# Altium PCB NewBoard.PcbDoc (part 3 of 3)
Units mm, origin at the board's own origin, x right, y up, seen from the top; angles counter-clockwise.
Board outline 116.9 x 108.8 mm, 2 copper layers (L1_Top, L14_Bot), stack 1.671 mm thick; 198 components, 135 nets, 569 pads, 693 vias.
Unrouted connection lines stored in the file: 119.
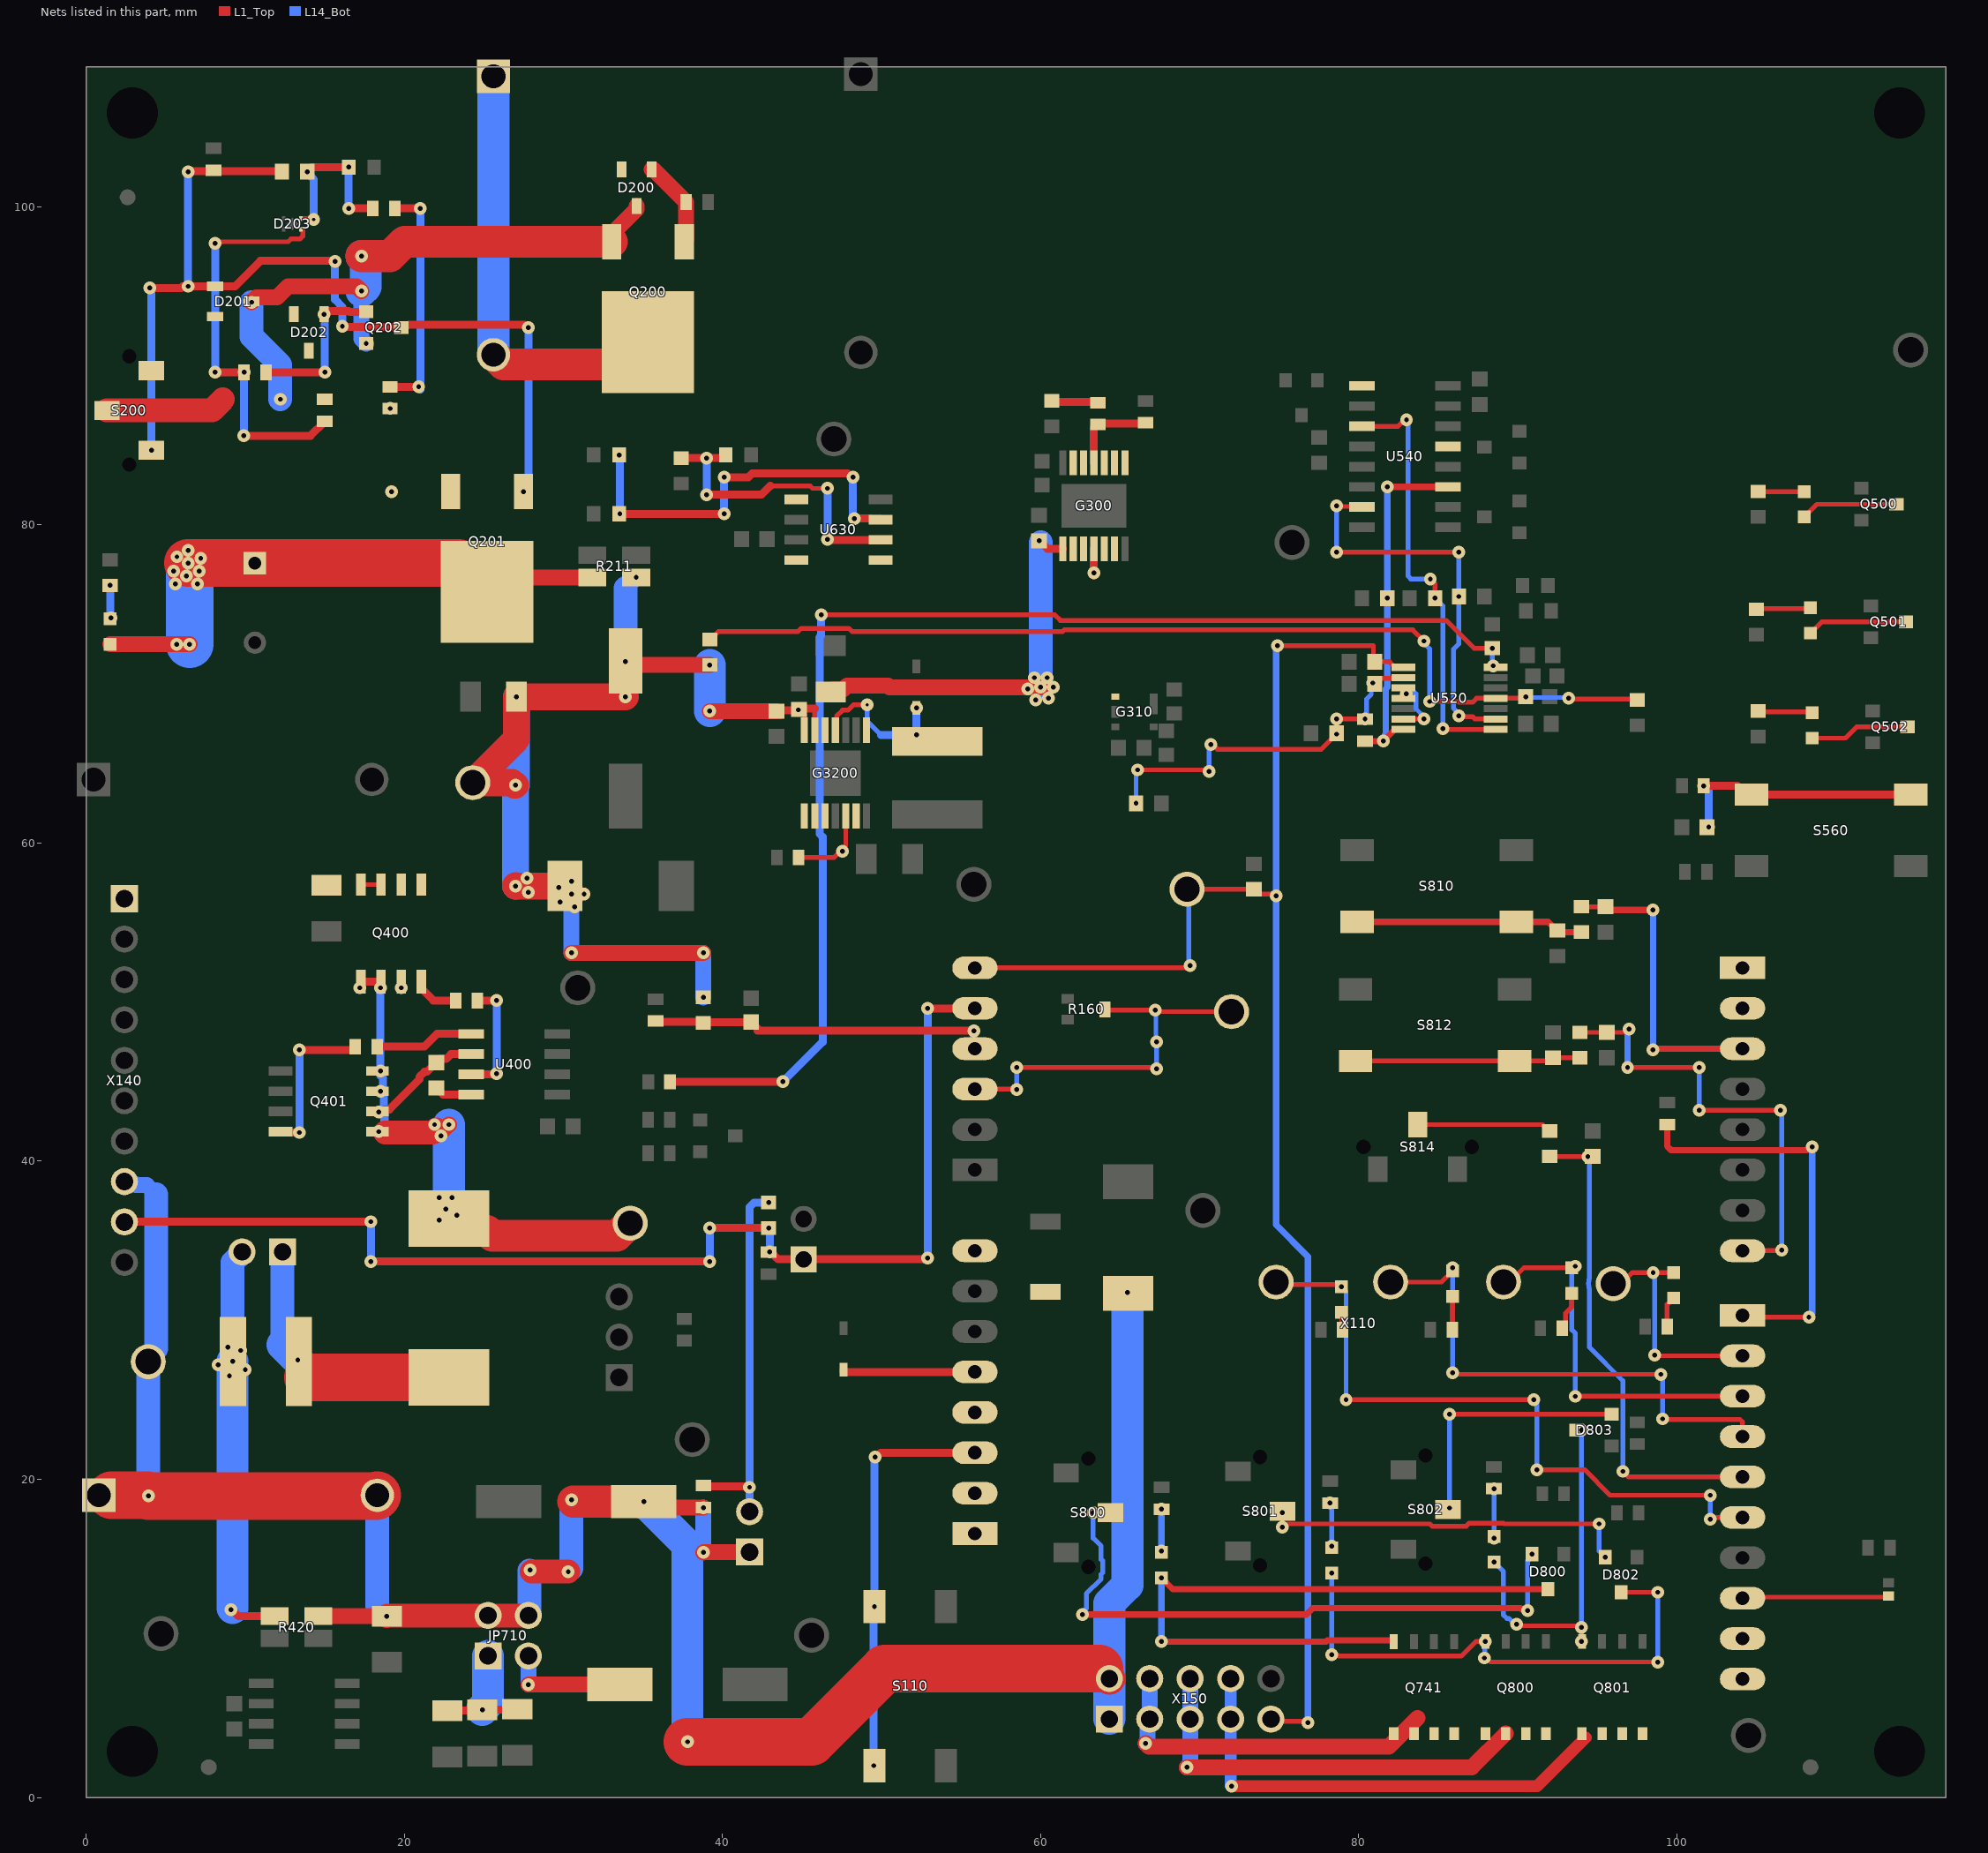
[diagram p3: the nets of this part, all layers, seen from the top]

## Via types
v1: diameter 0.8, hole 0.3, L1_Top to L14_Bot, tented both sides, 691 vias
v2: diameter 0.8, hole 0.2, L1_Top to L14_Bot, tented both sides, 2 vias

## Nets (pads, with @x,y where several pads share a name; then routed paths per layer and width w, separated by ;. In a path a pad name is that pad's centre, name@x,y a point inside that pad or via, vN(x,y) a via of type N, cw(c..) or ccw(c..) an arc to the next point about the centre after c; other vN are vias at no path point) (continued)
INV_TLV197: R633.2 R634.1 U630.2 | length 19.8
  L1_Top w0.3: 42.993,82.45 45.511,82.45 45.661,82.3 v1(46.6,82.3)
  L1_Top w0.5: R633.2@37.45,84.15 R633.2@37.4,84.2 40.025,84.2 40.2,84.375 R634.1@40.2,84.4 R634.1@40.15,84.35 ; v1(39,81.9) 42.443,81.9 42.993,82.45 ; v1(46.6,79.1) 46.635,79.065 U630.2@49.95,79.065
  L14_Bot w0.5: v1(39,81.9) v1(39,84.2) ; v1(46.6,79.1) v1(46.6,82.3)
Load1: Q741.5 Q741.6 Q741.7 Q741.8 X150.3 X150.4 | length 22.1
  L1_Top w1: v1(66.6,3.4) 66.8,3.2 81.9,3.2 83.7,5
  L14_Bot w1: v1(66.6,3.4) 66.726,3.526 66.726,4.796 X150.3@66.86,4.93 X150.4@66.86,7.47
Load2: Q800.5 Q800.6 Q800.7 Q800.8 X150.5 X150.6 | length 26.6
  L1_Top w1: v1(69.2,1.9) 87.117,1.9 Q800.6@89.23,4.013
  L14_Bot w1: v1(69.2,1.9) 69.4,2.1 X150.6@69.4,7.47
Load3: Q801.5 Q801.6 Q801.7 Q801.8 X150.7 X150.8 | length 30.3
  L1_Top w0.75: v1(72,0.7) 91.2,0.7 Q801.5@94.271,3.771
  L14_Bot w0.75: X150.8@71.94,7.47 71.94,0.774 72,0.714 v1(72,0.7)
NetC210_1: C210.1 D210.2 Q201.2 R211.2 | length 36.7
  L1_Top w1: D210.2@1.5,72.5 v1(6.5,72.5) ; Q201.2@26.1,76.7 R211.2@31.825,76.7
  L1_Top w2: Q201.2@23.4,77.6 Q201.2@25.2,75.8 Q201.2@26.1,76.7
  L1_Top w3: v1(6.4,77.6) C210.1@10.6,77.6 Q201.2@23.4,77.6
  L14_Bot w0.5: v1(6.4,77.6) v1@6.5,77.5
  L14_Bot w3: v1(6.5,72.5) v1@6.5,77.5
  other v1: 5.694,72.5 5.6,76.3 7,76.3 6.3,76.8 5.5,77.1 7.1,77.1 7.2,77.9 5.7,78 6.4,78.4
NetC500_1: C500.1 R507.2 S560.1 S560.2 | length 16.1
  L1_Top w0.5: v1(101.68,63.6) 103.8,63.6 104.35,63.05 S560.1@104.7,63.05 S560.2@114.7,63.05 ; C500.1@101.9,61 v1(102,61)
  L14_Bot w0.5: v1(101.68,63.6) 102,63.28 v1(102,61)
NetC506_2: C506.2 R506.2 U520.7 | length 82
  L1_Top w0.3: v1(46.2,74.35) 60.894,74.35 61.244,74 85.5,74 87.25,72.25 v1(88.4,72.25) ; v1(88.45,71.145) 88.45,71.125 88.525,71.05 U520.7@88.6,71.05
  L1_Top w0.5: R506.2@36.7,45 v1(43.8,45)
  L14_Bot w0.3: v1(88.4,72.25) 88.4,71.195 v1(88.45,71.145)
  L14_Bot w0.5: v1(43.8,45) 46.3,47.5 46.3,60.382 46.1,60.582 46.1,72.95 46.2,73.05 v1(46.2,74.35)
NetC521_2: C521.2 R510.2 R511.2 U520.4 | length 62.8
  L1_Top w0.3: R510.2@39.2,72.8 39.25,72.8 39.75,73.3 44.752,73.3 44.952,73.5 47.936,73.5 48.136,73.3 61.392,73.3 61.492,73.4 83.4,73.4 v1(84.1,72.7) ; v1(84.45,68.9) 86.253,68.9 86.303,68.85 87.152,68.85 87.402,69.1 U520.4@88.6,69.1 90.4,69.1 v1(90.5,69.2) ; v1(93.2,69.1) 93.25,69.05 97.45,69.05 R511.2@97.5,69
  L14_Bot w0.3: v1(84.1,72.7) 84.1,72.565 84.45,72.215 v1(84.45,68.9) ; v1(90.5,69.2) 90.55,69.15 93.15,69.15 v1(93.2,69.1)
NetC710_2: C710.2 C711.2 C712.2 JP710.1 | length 8
  L1_Top w0.5: C711.2@22.7,5.45 22.725,5.475 24.875,5.475 v1(24.9,5.5) 24.925,5.525 27.075,5.525 C712.2@27.1,5.55
  L14_Bot w2: v1(24.9,5.5) 24.9,5.581 25.26,5.941 JP710.1@25.26,8.9
NetC715_1: C715.1 JP710.3 | length 7.6
  L1_Top w1: v1(27.8,7.1) C715.1@33.55,7.1
  L14_Bot w1: v1(27.8,7.1) JP710.3@27.8,8.9
NetD112_1: D112.1 X110.5A | length 8.4
  L1_Top w0.5: D112.1@47.6,26.9 47.6,26.752 X110.5A@55.87,26.752
NetD200_2: D200.2
NetD201_2: D201.2
NetD202_2: D202.2
NetD210_1: D210.1 R210.1 | length 2.1
  L14_Bot w0.5: v1(1.5,76.2) 1.5,74.2 v1(1.55,74.15)
NetD320_1: D320.1 G3200.11 L320.1 | length 9.3
  L1_Top w0.3: G3200.11@47.1,67.1 47.1,67.325 47.175,67.4 47.175,67.975 47.55,68.35 47.886,68.35 48.236,68.7 v2(49.1,68.7)
  L14_Bot w0.3: v2(49.1,68.7) 49.1,67.663 49.963,66.8
  L14_Bot w0.5: 49.963,66.8 v1(52.2,66.8) v1(52.2,68.5)
  other v1: 52.2,66.8
NetD502_1: D502.1 R552.2 | length 3.4
  L1_Top w0.3: R552.2@105,74.7 105.05,74.75 108.35,74.75 D502.1@108.4,74.8
NetD502_2: D502.2 Q501.3 | length 6.3
  L1_Top w0.3: D502.2@108.4,73.2 109.1,73.9 Q501.3@114.4,73.9
NetD503_1: D503.1 R553.2 | length 3.4
  L1_Top w0.3: R553.2@105.1,68.3 105.15,68.25 108.45,68.25 D503.1@108.5,68.2
NetD503_2: D503.2 Q502.3 | length 6.3
  L1_Top w0.3: D503.2@108.5,66.6 110.6,66.6 111.3,67.3 Q502.3@114.5,67.3
NetD550_1: D550.1 R551.1 | length 2.9
  L1_Top w0.3: R551.1@105.1,82.1 D550.1@108,82.1
NetD550_2: D550.2 Q500.3 | length 6.1
  L1_Top w0.3: D550.2@108,80.5 108.8,81.3 Q500.3@113.8,81.3
NetD741_1: D741.1 R800.1 | length 2.7
  L1_Top w0.3: D741.1@67.6,15.4 v1(67.6,15.5)
  L14_Bot w0.4: v1(67.6,15.5) v1(67.6,18.12)
NetD741_2: D741.2 D800.3 Q741.4 | length 43.3
  L1_Top w0.4: v1(67.6,9.8) 77.941,9.8 78.017,9.876 82.145,9.876 82.195,9.826 Q741.4@82.195,9.794 ; v1(67.6,13.8) 68.3,13.1 D800.3@91.9,13.1
  L14_Bot w0.4: v1(67.6,9.8) v1(67.6,13.8)
NetD801_1: D801.1 R801.1 | length 2
  L1_Top w0.3: R801.1@99.39,29.6 99.39,30.99 D801.1@99.8,31.4
NetD802_3: D802.3 D804.2 Q800.4 | length 34
  L1_Top w0.3: v1(78.3,8.975) 78.357,8.918 78.718,8.918 78.754,8.881 86.441,8.881 87.36,9.8 v1(87.96,9.8) ; v1(87.9,8.768) 88.035,8.768 88.285,8.518 98.782,8.518 v1(98.8,8.5) ; D802.3@96.5,12.9 v1(98.8,12.9)
  L14_Bot w0.3: v1(78.3,8.975) 78.292,8.983 78.292,14.092 v1(78.3,14.1) ; v1(87.9,8.768) 87.93,8.798 87.93,9.77 v1(87.96,9.8) ; v1(98.8,8.5) v1(98.8,12.9)
NetD803_3: D803.3 D805.2 Q801.4 | length 22.1
  L1_Top w0.3: v1(89.931,10.886) 90.024,10.793 93.907,10.793 v1(94,10.7) ; v1(94,9.8) Q801.4@94.03,9.8
  L14_Bot w0.3: v1(88.5,14.8) 89.1,14.2 89.1,11.469 89.312,11.256 89.426,11.256 89.796,10.886 v1(89.931,10.886) ; v1(94,9.8) v1(94,10.7) v1(94,23.1)
NetD804_1: D804.1 R802.1 | length 2.9
  L1_Top w0.3: D804.1@78.3,15.7 v1(78.3,15.8)
  L14_Bot w0.3: v1(78.2,18.51) 78.3,18.41 v1(78.3,15.8)
NetD805_1: D805.1 R803.1 | length 3.2
  L1_Top w0.3: v1(88.5,16.3) D805.1@88.5,16.4
  L14_Bot w0.3: v1(88.5,16.3) v1(88.5,19.41)
NetD806_1: D806.1 R804.1 | length 2.4
  L1_Top w0.3: R804.1@92.8,29.5 93.003,29.703 93.003,30.445 93.4,30.842 D806.1@93.4,31.7
NetD807_1: D807.1 R805.1 | length 2.1
  L1_Top w0.3: R805.1@85.88,29.4 85.89,29.41 85.89,31.49 D807.1@85.9,31.5
NetD808_1: D808.1 R806.1 | length 1.1
  L1_Top w0.3: D808.1@78.9,30.5 78.945,30.455 78.945,29.445 R806.1@78.99,29.4
NetG300_2: G300.2
NetG300_3: G300.3
NetG300_5: G300.5
NetG300_6: G300.6
NetG300_8: G300.8
NetG300_9: G300.9
NetG300_10: G300.10
NetG300_12: G300.12
NetG300_13: G300.13
NetG310_1: G310.1
NetG3200_1: G3200.1
NetG3200_2: G3200.2
NetG3200_3: G3200.3
NetG3200_5: G3200.5 R320.1 | length 5
  L1_Top w0.3: R320.1@44.79,59.1 47.02,59.1 v1@47.367,59.447 ; v1(47.544,59.489) 47.544,59.624 47.75,59.83 G3200.5@47.75,61.7
NetG3200_6: G3200.6
NetG3200_8: G3200.8
NetG3200_12: G3200.12
NetJP421_1: JP421.1 L420.2 L421.1 | length 17.3
  L1_Top w0.5: L421.1@13.375,27.4 13.375,26.975 L421.1@13.95,26.4
  L1_Top w3: L421.1@13.95,26.4 L420.2@22.8,26.4
  L14_Bot w1.5: 12.34,28.46 JP421.1@12.34,34.3
  L14_Bot w2: 12.34,28.46 v1(13.3,27.5)
NetJP421_2: JP421.222 L421.2 R420.1 | length 25.7
  L1_Top w0.5: v1(9.1,11.8) 9.181,11.8 9.581,11.4 R420.1@11.85,11.4 ; v1(9.2,27.425) L421.2@9.225,27.4
  L14_Bot w0.5: v1(9.1,11.8) v1@9.2,11.9
  L14_Bot w1.5: v1(9.2,27.425) 9.2,33.646 9.8,34.246 JP421.222@9.8,34.3
  L14_Bot w2: v1@9.2,11.9 v1(9.2,27.425)
  other v1: 9,26.5 10,26.9 8.3,27.2 9.7,28.1 8.9,28.3
NetQ400_4: Q400.4 R400.1 | length 2.9
  L1_Top w0.5: Q400.4@21.07,51.3 21.07,50.85 21.82,50.1 R400.1@23.22,50.1
NetQ401_4: Q401.4 R401.1 | length 10.1
  L1_Top w0.5: Q401.4@12.21,41.86 12.26,41.81 13.39,41.81 v1(13.4,41.8) ; v1(13.4,47) 16.8,47 16.91,47.11 R401.1@16.91,47.2
  L14_Bot w0.5: v1(13.4,41.8) v1(13.4,47)
NetR112_2: R112.2 X110.1C | length 25.7
  L1_Top w0.3: X110.1C@104.13,30.308 104.238,30.2 v1(108.3,30.2)
  L1_Top w0.4: R112.2@99.4,42.31 99.4,40.934 99.634,40.7 108.192,40.7 108.392,40.9 v1(108.5,40.9)
  L14_Bot w0.3: v1(108.3,30.2) v1@108.5,30.4
  L14_Bot w0.4: v1@108.5,30.4 v1(108.5,40.9)
NetR204_2: R204.2 R205.2 | length 14.8
  L1_Top w0.5: R204.2@19.1,88.68 19.11,88.69 20.89,88.69 v1(20.9,88.7) ; R205.2@19.4,99.9 v1(21,99.9)
  L14_Bot w0.5: v1@21,88.5 v1(21,99.9)
NetR301_2: R301.2 R302.2 | length 2.9
  L1_Top w0.5: R301.2@60.7,87.8 60.755,87.745 63.545,87.745 R302.2@63.6,87.69
NetR400_2: R400.2 U400.7 | length 7.4
  L1_Top w0.5: U400.7@24.2,45.465 25.765,45.465 v1(25.8,45.5) ; R400.2@24.6,50.1 v1(25.8,50.1)
  L14_Bot w0.5: v1(25.8,45.5) v1(25.8,50.1)
NetR401_2: R401.2 U400.5 | length 6.2
  L1_Top w0.5: R401.2@18.29,47.2 21.247,47.2 22.052,48.005 U400.5@24.2,48.005
NetR810_1: R810.1 R811.1 S810.1 S810.2 | length 14.4
  L1_Top w0.4: S810.2@79.9,55.05 S810.1@89.9,55.05 91.9,55.05 92.55,54.4 R811.1@94,54.4
NetR812_1: R812.1 R813.1 S812.1 S812.2 | length 14.2
  L1_Top w0.3: S812.2@79.8,46.3 S812.1@89.8,46.3 92,46.3 R812.1@92.2,46.5 R813.1@93.9,46.5
NetR814_1: R814.1 S814.2 | length 8.5
  L1_Top w0.3: S814.2@83.7,42.3 91.55,42.3 91.95,41.9 R814.1@92,41.9
NetS200_3: S200.3
NetU520_10: U520.10 U520.11 U520.13 | length 3.3
  L1_Top w0.3: U520.13@82.8,67.8 v1(84.106,67.8)
  L14_Bot w0.3: 83.423,69.551 83.599,69.375 83.599,68.442 84.106,67.935 v1(84.106,67.8)
  other v1: 82.999,69.375
NetU540_1: U540.1
NetU540_13: U540.13
NetU630_1: U630.1
NetU630_5: U630.5
NetU630_8: U630.8
Netw-: R720.1 R721.2 X720.2 | length 23.4
  L1_Top w0.5: R720.1@38.8,19.6 38.85,19.55 41.65,19.55 v1(41.7,19.5)
  L14_Bot w0.5: X720.2@41.7,17.97 v1(41.7,19.5) 41.7,37.107 41.993,37.4 v1(42.9,37.4)
NetX100_1: Q200.2 X100.1 X100.2 | length 28
  L1_Top w2: v1(25.6,90.7) 25.627,90.7 26.227,90.1 33.92,90.1 Q200.2@35.32,91.5
  L14_Bot w2: v1(25.6,90.7) X100.1@25.6,108.2
NetX105_1: X105.1 X110.8C | length 9.2
  L1_Top w0.3: X110.8C@104.13,12.528 104.199,12.597 113.231,12.597 X105.1@113.3,12.666
NetX110_1A: X110.1A
NetX110_1D: X110.1D
NetX110_2A: X110.2A
NetX110_2D: X110.2D
NetX110_4A: X110.4A
NetX110_8A: X110.8A
NetX110_9C: X110.9C
NetX110_10C: X110.10C
NINV_TLV197: R631.2 R632.1 U630.3 | length 25.2
  L1_Top w0.5: R631.2@33.5,80.7 v1(33.545,80.7) v1(40.1,80.7) ; v1(40.1,83) 41.628,83 41.878,83.25 47.869,83.25 48.119,83 v1(48.2,83) ; v1(48.3,80.4) 49.335,80.4 49.35,80.385 49.9,80.385 U630.3@49.95,80.335
  L14_Bot w0.5: v1(33.5,84.4) 33.545,84.355 v1(33.545,80.7) ; v1(40.1,80.7) v1(40.1,83) ; v1(48.2,83) 48.2,80.5 v1(48.3,80.4)
NTC_ext: C533.2 R532.1 TP532.1 U520.8 X110.6B X150.9 | length 104.2
  L1_Top w0.3: X110.6B@55.87,52.152 69.252,52.152 v1(69.4,52.3) ; TP532.1@69.2,57.1 R532.1@73.4,57.1 73.7,56.8 74.545,56.8 74.665,56.68 v1(74.8,56.68) ; X150.9@74.48,4.93 74.614,4.796 76.704,4.796 v1(76.8,4.7) ; v1(74.9,72.4) 80.924,72.4 80.924,71.476 C533.2@81,71.4 81.925,71.4 82.275,71.05 U520.8@82.8,71.05
  L14_Bot w0.3: TP532.1@69.2,57.1 69.304,56.996 69.304,52.396 v1(69.4,52.3)
  L14_Bot w0.4: v1(74.9,72.4) 74.8,72.3 74.8,57 v1(74.8,56.68) 74.8,36 76.8,34 v1(76.8,4.7)
NTC_Ext_Thresh: C530.2 R500.1 R502.2 R528.2 U520.9 | length 23.6
  L1_Top w0.3: v1(66.1,64.6) 70.5,64.6 v1(70.6,64.5) ; v1(70.7,66.2) 70.826,66.2 71.126,65.9 77.65,65.9 v1(78.6,66.85) ; v1(78.6,67.8) 78.605,67.795 v1(80.395,67.795) R528.2@80.4,67.79 ; C530.2@81.325,70.35 82.75,70.35 U520.9@82.8,70.4
  L14_Bot w0.3: v1(66,62.5) 66,64.5 v1(66.1,64.6) ; v1(70.6,64.5) 70.6,66.1 v1(70.7,66.2) ; v1(78.6,66.85) v1(78.6,67.8) ; v1(80.395,67.795) 80.491,67.891 80.491,68.211 80.5,68.221 80.5,69.067 80.785,69.352 80.785,69.971 v1(80.881,70.067)
Ov_Gate: D202.1 Q202.1 R203.1 | length 10.2
  L1_Top w0.5: R203.1@11.3,89.6 v1(15,89.6) ; v1(14.95,93.25) 14.95,93.4 15,93.45 16.494,93.45 16.544,93.4 Q202.1@17.6,93.4
  L14_Bot w0.5: v1(14.95,93.25) 15,93.2 v1(15,89.6)
Overcurr: R501.1 U520.1 U540.3 | length 27.4
  L1_Top w0.3: U540.3@80.2,86.205 82.47,86.205 82.865,86.6 v1(83,86.6) ; v1(84.5,76.6) 84.8,76.3 v1(84.8,75.4) ; v1(85.3,67.2) 85.35,67.15 U520.1@88.6,67.15
  L14_Bot w0.3: v1(83,86.6) 83.1,86.5 83.1,76.776 83.276,76.6 v1(84.5,76.6) ; v1(84.8,75.4) 85.3,74.9 v1(85.3,67.2)
Overtemp_Ext: R527.1 R528.1 U520.14 U540.11 | length 22.6
  L1_Top w0.4: R528.1@80.4,66.41 v1(81.535,66.41) 82.275,67.15 U520.14@82.8,67.15 ; v1(81.8,82.4) 81.802,82.398 85.598,82.398 U540.11@85.6,82.395
  L14_Bot w0.4: v1(81.535,66.41) 81.612,66.487 81.612,66.756 81.7,66.844 81.7,69.694 81.8,69.794 v1(81.8,75.4) v1(81.8,82.4)
Pwr_Gate: D201.1 Q201.1 Q202.3 R209.2 R214.2 S200.1 | length 62
  L1_Top w0.5: v1(4,94.9) 5.969,94.9 v1@6.069,95 ; v1(6.4,95) D201.1@8.1,95 9.35,95 10.95,96.6 15.6,96.6 v1(15.633,96.567) ; v1(6.4,102.2) 6.45,102.25 7.95,102.25 R209.2@8,102.3 8.05,102.25 12.25,102.25 R214.2@12.3,102.2 ; v1(16.1,92.5) 16.15,92.45 19.75,92.45 Q202.3@19.8,92.4 19.95,92.55 20.243,92.55 20.293,92.6 27.519,92.6 27.719,92.4 v1(27.8,92.4)
  L14_Bot w0.5: v1(4,94.9) 4.1,94.8 v1(4.1,84.7) ; v1(6.4,95) v1(6.4,102.2) ; v1(15.633,96.567) 15.633,94.175 16.1,93.708 v1(16.1,92.5) ; v1(27.48,82.1) 27.8,82.42 v1(27.8,92.4)
Reset: S110.3 S110.4 X110.3A | length 25.9
  L1_Top w0.5: v1(49.5,2) S110.4@49.55,2 ; v1(49.6,21.4) 49.681,21.4 49.953,21.672 X110.3A@55.87,21.672
  L14_Bot w0.5: v1(49.5,2) 49.5,11.95 v1(49.55,12) 49.55,21.35 v1(49.6,21.4)
RevPolGate: D200.1 Q200.1 R200.2 | length 5.6
  L1_Top w0.3: Q200.1@37.6,97.8 Q200.1@37.71,97.91
  L1_Top w1: D200.1@35.55,102.35 35.66,102.35 R200.2@37.71,100.3 Q200.1@37.71,97.91
Switch1: D800.2 S800.2 | length 40.2
  L1_Top w0.3: v1(63.3,17.9) S800.2@64.4,17.9
  L1_Top w0.4: v1(62.62,11.5) 76.703,11.5 77.103,11.9 90.182,11.9 90.259,11.823 90.54,11.823 v1(90.617,11.746)
  L14_Bot w0.3: v1(62.62,11.5) 62.62,11.635 62.87,11.885 62.87,12.814 63.8,13.744 63.8,14.027 63.9,14.127 63.9,14.873 63.8,14.973 63.8,15.805 63.3,16.305 v1(63.3,17.9) ; v1(90.617,11.746) 90.617,14.881 90.9,15.165 v1(90.9,15.3)
Switch2: D802.2 S801.2 | length 23.4
  L1_Top w0.3: v1(75.2,17) 75.335,17 75.535,17.2 84.464,17.2 84.614,17.05 86.75,17.05 86.95,17.25 89.086,17.25 89.136,17.2 v1(95.1,17.2) ; v1(75.2,17.9) S801.2@75.2,18
  L14_Bot w0.3: v1(75.2,17) v1(75.2,17.9) ; v1(95.1,17.2) 95.1,15.5 v1(95.5,15.1)
Switch3: D803.2 S802.2 | length 16.1
  L1_Top w0.3: v1(85.7,24.1) D803.2@95.9,24.1
  L14_Bot w0.3: v1(85.7,18.2) v1(85.7,24.1)
TL431ref: D203.4 R205.1 R212.1 R214.1 | length 10.9
  L1_Top w0.2: D203.4@13.5,99.3 14.139,99.3 v2@14.239,99.2
  L1_Top w0.3: v2@14.239,99.2 v2(14.3,99.2)
  L1_Top w0.5: v1(13.9,102.2) 13.9,102.25 14.15,102.5 v1(16.5,102.5) ; v1(16.5,99.9) R205.1@18.02,99.9
  L14_Bot w0.5: v1(13.9,102.2) 13.9,102.119 14.3,101.719 v2(14.3,99.2) ; v1(16.5,99.9) v1(16.5,102.5)
Undervolt: R509.1 U520.2 U540.7 | length 25.2
  L1_Top w0.3: v1(78.6,78.3) v1(86.3,78.3) ; v1(78.6,81.2) 78.637,81.163 80.163,81.163 U540.7@80.2,81.125 ; v1(86.3,68) 86.35,67.95 87.15,67.95 87.3,67.8 U520.2@88.6,67.8
  L14_Bot w0.3: v1(78.6,78.3) v1(78.6,81.2) ; v1(86.3,68) 86.3,68.135 85.95,68.485 85.95,72.181 86.3,72.531 v1(86.3,78.3)
  other v1: 86.3,75.5
UserBtn1: C811.2 R811.2 X110.3D | length 19
  L1_Top w0.3: R811.2@94,56 C811.2@95.5,56 C811.2@95.7,55.8 ; v1(98.5,47) v1@98.572,47.072
  L1_Top w0.4: C811.2@95.7,55.8 v1(98.5,55.8) ; v1@98.572,47.072 X110.3D@104.13,47.072
  L14_Bot w0.4: v1(98.5,47) v1(98.5,55.8)
UserBtn2: C813.2 R813.2 X110.8D | length 29.2
  L1_Top w0.3: R813.2@93.9,48.1 C813.2@95.6,48.1 96.665,48.1 96.865,48.3 v1(97,48.3) ; v1(96.9,45.9) v1(101.4,45.9) ; v1(101.4,43.2) v1(106.5,43.2) ; X110.8D@104.13,34.372 106.572,34.372 v1(106.6,34.4)
  L14_Bot w0.3: v1@96.9,48.2 v1(97,48.3) ; v1(101.4,43.2) v1(101.4,45.9) ; v1(106.5,43.2) 106.6,43.1 v1(106.6,34.4)
  L14_Bot w0.4: v1(96.9,45.9) v1@96.9,48.2
UserLED1: D801.2 X110.2C X801.1 | length 14.9
  L1_Top w0.3: X801.1@96,32.3 96.514,32.3 97.214,33 v1(98.507,33) D801.2@99.8,33 ; v1(98.6,27.8) 98.632,27.768 X110.2C@104.13,27.768
  L14_Bot w0.3: v1(98.507,33) 98.6,32.907 v1(98.6,27.8)
UserLED2: D806.2 X110.3C X806.1 | length 23.8
  L1_Top w0.3: X806.1@89.1,32.4 89.492,32.4 90.392,33.3 D806.2@93.4,33.3 93.5,33.3 v1(93.6,33.4) ; v1(93.613,25.216) 93.619,25.222 104.124,25.222 X110.3C@104.13,25.228
  L14_Bot w0.3: v1(93.6,33.4) 93.576,33.4 93.4,33.224 93.4,29.394 93.613,29.181 v1(93.613,25.216)
UserLED3: D807.2 X110.4C X805.1 | length 32.8
  L1_Top w0.3: X805.1@82,32.4 85.2,32.4 D807.2@85.9,33.1 ; v1(85.9,26.7) 86,26.6 v1(99,26.6) ; v1(99.1,23.8) 99.13,23.77 103.954,23.77 104.13,23.594 X110.4C@104.13,22.688
  L14_Bot w0.3: v1(85.9,26.7) v1(85.9,33.3) ; v1(99,26.6) 99.1,26.5 v1(99.1,23.8)
UserLED4: D808.2 X110.6C X808.1 | length 42.9
  L1_Top w0.3: X808.1@74.8,32.4 74.95,32.25 78.75,32.25 v1(78.9,32.1) ; v1(79.2,25) v1(91,25) ; v1(91.2,20.6) 94.2,20.6 95.8,19 v1(102.1,19) ; v1(102.1,17.5) 102.208,17.608 X110.6C@104.13,17.608
  L14_Bot w0.3: v1(78.9,32.1) 79.2,31.8 v1(79.2,25) ; v1(91,25) 91.2,24.8 v1(91.2,20.6) ; v1(102.1,17.5) v1(102.1,19)
UserPot: R160.2 TP160.1 X110.3B | length 24.6
  L1_Top w0.3: X110.3B@55.87,44.532 58.468,44.532 v1(58.5,44.5) ; v1(58.5,45.9) 67.2,45.9 v1(67.3,45.8) ; R160.2@64.05,49.55 64.1,49.5 v1(67.2,49.5) 67.3,49.4 TP160.1@72,49.4
  L14_Bot w0.3: v1(58.5,44.5) v1(58.5,45.9) ; v1(67.2,49.5) 67.25,49.45 67.25,47.55 v1(67.3,47.5) v1(67.3,45.8)
UserSw: C814.2 R814.2 X110.5C | length 30.8
  L1_Top w0.3: R814.2@92,40.3 v1(94.4,40.3) ; v1(96.6,20.5) 96.952,20.148 X110.5C@104.13,20.148
  L14_Bot w0.3: v1(94.4,40.3) 94.5,40.2 94.5,32.691 ccw(c96,32.3) 94.5,31.909 94.5,28.3 96.6,26.2 v1(96.6,20.5)
VA: G300.11 R302.1 R303.2 | length 5.6
  L1_Top w0.5: G300.11@63.35,83.9 63.35,86.06 63.355,86.065 63.355,86.2 63.465,86.31 R302.1@63.6,86.31 63.655,86.365 66.545,86.365 R303.2@66.6,86.42
VB_Buck: C402.2 U400.8 | length 2.4
  L1_Top w0.5: C402.2@22,44.6 22.025,44.6 22.43,44.195 U400.8@24.2,44.195
Vin: C212.1 C213.2 C220.1 C300.2 C320.2 C321.2 C404.2 D211.1 G300.1 G300.4 G3200.13 G3200.14 Q400.5 Q400.6 Q400.7 Q400.8 R211.1 R220.1 R510.1 TP211.1 X140.1 | length 99.9
  L1_Top w0.3: Q400.8@17.26,57.39 Q400.7@18.53,57.39 ; v1(44.775,68.375) 44.85,68.375 45.15,68.075 G3200.14@45.15,67.1 ; G3200.13@45.8,67.1 45.8,68.45
  L1_Top w0.5: v1(33.9,71.4) C212.1@34.1,71.2 ; C220.1@43.65,68.05 43.65,68.075 43.425,68.3 C220.1@43.4,68.3 43.45,68.35 44.75,68.35 v1(44.775,68.375) C320.2@44.8,68.4 44.85,68.45 45.8,68.45 ; v1(59.9,79) 59.925,79 60.425,78.5 G300.1@61.4,78.5 ; v1@63.35,76.843 G300.4@63.35,78.5
  L1_Top w1: v1(30.5,53.1) v1(38.8,53.1) ; C212.1@34.1,71.2 v1(39.2,71.2) ; v1(39.2,68.3) C220.1@43.4,68.3 ; C321.2@46.8,69.5 46.95,69.65 47.586,69.65 47.836,69.9 50.4,69.9 50.5,69.8 59.2,69.8 v1(60,69.8)
  L1_Top w1.7: v1(26.997,57.303) 27,57.3 29.6,57.3 v1(29.7,57.2) 29.8,57.3 30,57.3 v1(30.5,56.8) ; v1(26.997,63.65) 26.916,63.65 26.766,63.8 TP211.1@24.3,63.8 27.05,66.55 v1(27.05,69.2) v1(33.9,69.2)
  L14_Bot w1: v1(30.5,53.1) v1(30.5,56.8) ; 33.9,76.025 v1(34.575,76.7) ; v1(38.8,50.3) v1(38.8,53.1) ; v1(59.9,79) v1@60,78.9
  L14_Bot w1.5: v1(33.9,69.2) v1(33.9,71.4) 33.9,76.025 ; v1(60,69.8) v1@60,78.9
  L14_Bot w1.7: v1(26.997,57.303) v1(26.997,63.65) 27.05,63.65 v1(27.05,69.2)
  L14_Bot w2: v1(39.2,68.3) v1(39.2,71.2)
  other v1: 30.7,56 29.8,56.3 31.3,56.8 27.8,56.9 30.5,57.6 27.7,57.8 59.7,69 60.5,69.1 59.2,69.7 60.8,69.8 59.6,70.4 60.4,70.4 63.35,76.978
Vin_Meas: C221.2 R220.2 R221.1 X110.4B | length 21.5
  L1_Top w0.5: R221.1@35.8,48.81 35.855,48.755 38.745,48.755 R220.2@38.8,48.7 38.825,48.725 41.825,48.725 42.193,48.357 42.193,48.2 v1(55.8,48.2)
  L14_Bot w0.5: v1(55.8,48.2) 55.8,47.142 X110.4B@55.87,47.072
Vin_RevPol: D200.3 D201.3 D202.3 Q200.3 Q201.3 Q202.2 R202.2 R204.1 S200.2 | length 46.7
  L1_Top w1: v1(10.4,94) D201.3@10.4,94.05 ; D201.3@10.45,94.05 10.7,94.3 12,94.3 12.7,95 17,95 v1(17.3,94.7) ; Q200.3@33.04,97.8 33.04,98.3 34.6,99.86 D200.3@34.6,100.05
  L1_Top w1.5: S200.2@1.3,87.2 7.905,87.2 8.595,87.89
  L1_Top w2: v1(17.3,96.9) 19.1,96.9 20,97.8 Q200.3@33.04,97.8
  L14_Bot w1: v1(17.3,94.7) 17.3,91.7 v1(17.6,91.4)
  L14_Bot w1.5: v1(10.4,94) 10.4,91.85 12.2,90.05 v1(12.2,87.9)
  L14_Bot w2: v1(17.3,94.7) 17.572,94.972 17.572,96.628 v1(17.3,96.9)
  other v1: 19.2,82.1 19.1,87.32
Vout: C700.2 C701.1 D730.1 D731.1 JP710.2 JP710.4 R420.2 R720.2 TP431.1 X102.1 X102.2 X140.8 X150.1 X150.2 X720.1 | length 155.9
  L1_Top w0.5: v1(27.9,14.3) v1@28,14.2 ; v1(30.5,18.7) v1@30.6,18.6 ; v1(35.05,18.6) C701.1@35.43,18.22 ; D730.1@65.42,31.78 v1(65.46,31.74)
  L1_Top w1: R420.2@14.6,11.4 v1(18.9,11.4) ; C701.1@35.43,18.22 v1(38.8,18.22) ; v1(38.8,15.4) 38.83,15.43 X720.1@41.7,15.43
  L1_Top w1.5: v1(18.9,11.4) 18.92,11.42 25.24,11.42 JP710.2@25.26,11.44 JP710.4@27.8,11.44 ; v1@28,14.2 v1(30.3,14.2)
  L1_Top w2: v1@30.6,18.6 v1(35.05,18.6) ; 63.69,8.1 X150.2@64.32,7.47
  L1_Top w3: X102.1@1.6,19 3.85,19 v1(3.9,18.95) 18.25,18.95 X102.2@18.3,19 ; v1(37.8,3.5) 45.6,3.5 50.2,8.1 63.69,8.1
  L14_Bot w0.5: JP710.4@27.8,11.44 JP710.4@27.85,11.49 ; v1@27.85,14.25 v1(27.9,14.3) ; v1(30.3,14.2) v1@30.5,14.4 ; v1(35.05,18.6) v1@35.305,18.345 ; v1(38.8,15.4) 38.8,15.85 ; X720.1@41.6,15.33 X720.1@41.7,15.43
  L14_Bot w1: X140.8@2.4,38.72 2.534,38.586 3.029,38.586 3.125,38.49 3.814,38.49 4.4,37.905 ; TP431.1@3.9,27.4 3.9,27.725 TP431.1@4.4,28.225 ; 18.3,12.081 18.9,11.481 v1(18.9,11.4) ; 38.8,15.85 v1(38.8,18.22)
  L14_Bot w1.5: v1(3.9,18.95) 3.9,19 TP431.1@3.9,27.4 ; TP431.1@4.4,28.225 4.4,37.905 ; 18.3,12.081 X102.2@18.3,19 ; JP710.4@27.85,11.49 v1@27.85,14.25 ; v1@30.5,14.4 v1(30.5,18.7)
  L14_Bot w2: v1@35.305,18.345 37.8,15.85 v1(37.8,3.5) ; X150.1@64.32,4.93 X150.2@64.32,7.47 64.32,12.214 65.46,13.354 v1(65.46,31.74)
Vout_Meas: R721.1 R722.1 X110.5B X140.9 X400.1 | length 75.5
  L1_Top w0.5: X140.9@2.4,36.18 2.41,36.19 17.89,36.19 v1(17.9,36.2) ; v1(17.9,33.7) v1(39.2,33.7) ; v1(39.2,35.8) v1(42.9,35.8) ; R722.1@42.9,34.29 v1(42.968,34.29) 43.035,34.29 43.495,33.83 X400.1@45.1,33.83 52.83,33.83 v1(52.9,33.9) ; v1(52.9,49.6) 52.906,49.606 55.864,49.606 X110.5B@55.87,49.612
  L14_Bot w0.5: v1(17.9,33.7) v1(17.9,36.2) ; v1(39.2,33.7) v1(39.2,35.8) ; v1(42.9,35.8) 42.968,35.732 v1(42.968,34.29) ; v1(52.9,33.9) v1(52.9,49.6)
VS_Buck: C402.1 L420.1 Q400.1 Q400.2 Q400.3 Q401.5 Q401.6 Q401.7 Q401.8 TP401.1 U400.6 | length 41.6
  L1_Top w0.5: Q400.1@17.26,51.3 Q400.2@18.53,51.3 ; Q401.5@18.3,41.86 18.74,41.86 Q401.5@18.8,41.8 ; Q401.7@18.3,44.4 Q401.7@18.7,44.4 ; Q401.6@18.7,43.2 18.757,43.257 19.057,43.257 20.95,45.15 20.95,45.303 21.272,45.625 21.425,45.625 21.75,45.95 21.75,45.975 22.2,46.425 22.625,46.425 22.935,46.735 U400.6@24.2,46.735 ; Q401.6@18.75,43.15 Q401.6@18.75,43.18 ; L420.1@22.8,36.3 L420.1@22.8,36.4
  L1_Top w1: 22.07,41.93 22.43,41.93 v1(22.8,42.3) ; L420.1@22.8,36.3 L420.1@23.3,35.8
  L1_Top w1.5: Q401.5@18.8,41.8 21.8,41.8 v1@22,42
  L1_Top w2: L420.1@22.8,36.3 23.475,35.625 25.197,35.625 25.522,35.3 33.346,35.3 34.146,36.1 TP401.1@34.2,36.1
  L14_Bot w0.5: v1(18.5,50.9) v1(18.5,45.67) 18.5,45.389 18.643,45.246 18.643,44.457 18.7,44.4 18.7,43.2 18.75,43.15 18.75,41.85 18.8,41.8
  L14_Bot w2: 22.8,36.3 v1(22.8,42.3)
  other v1: 22.2,36.3 23.3,36.6 22.6,37 22.2,37.7 23,37.7 22.3,41.6 18.386,41.86 21.9,42.3 18.4,43.1 18.5,44.4 17.2,50.9 19.8,50.9
Zener_20V: D203.3 R202.1 R203.2 | length 25.4
  L1_Top w0.3: v1(8.1,97.7) 8.196,97.796 8.521,97.796 8.526,97.8 12.694,97.8 12.87,97.976 13.439,97.976 13.615,98.151 13.615,98.445 13.615,98.475 D203.3@13.583,98.507
  L1_Top w0.5: v1(8.1,89.6) v1(9.92,89.6) ; v1(9.91,85.61) 14.1,85.61 R202.1@15,86.51
  L14_Bot w0.5: v1(8.1,89.6) v1(8.1,97.7) ; v1(9.91,85.61) 9.91,89.59 v1(9.92,89.6)
pads on no net: D203.2 D203.5 E100.1 E101.1 E102.1 MP100. MP101. MP102. MP103. S200. S800. S801. S802. S814.

## Polygon pours and split planes (outlines as drawn)
GND on L1_Top "GND_L01_P034" (solid, remove dead copper, pour order 34): 0,0 0,108.8 116.9,108.8 116.9,0
Vin on L1_Top "NONET_L-01_P-001" (solid, pour order 5): 40,67.5 40.3,67.2 58.2,67.2 58.2,70.6 57.9,70.9 57.4,70.4 45.7,70.4 45.7,69.5 45.3,69.1 45.1,69.3 39.9,69.3
RevPolGate on L1_Top "NONET_L-01_P-001" (solid, remove dead copper, pour order 16): 38.1,100.1 38.1,104.9 38.3,105.1 37.8,105.6 35,105.6 35,102.5 35.9,101.6 35.9,100.1
Vout on L1_Top "NONET_L-01_P-001" (solid, remove dead copper, pour order 14): 59.4,26.133 59.4,33.3 59.6,33.5 69.394,33.5 70.351,31.332 70.55,25.75 70,25.2 59.48,25.2
Vout on L1_Top "NONET_L-01_P-001" (solid, remove dead copper, pour order 13): 45.6,3.5 46.5,4.4 61.7,4.4 62.1,4 62.3,4.2 64.9,4.2 64.9,9.7 64.5,10.1 48.8,10.1 48.8,8.2 44.3,3.7
NetX100_1 on L1_Top "NONET_L-01_P-001" (solid, remove dead copper, pour order 12): 25.927,90.4 26.227,90.7 41.4,90.7 41.4,87 41.3,86.9 41.2,87 25.8,87 25.8,90.3 26,90.5
Vout on L1_Top "NONET_L-01_P-001" (solid, remove dead copper, pour order 10): 31.9,0.7 41.6,0.7 41.6,4.4 39.6,6.4 39.6,16.2 37.2,18.6 37.2,19.1 30.7,19.1 30.1,19.7 28.8,18.4 28.8,16.1 22.6,16.1 22.1,15.6 16.8,20.9 7.8,20.9 5.4,18.5 2.1,18.5 2.1,13.8 3.8,12.1 14.8,12.1 17.1,9.8 31,9.8 31.1,9.9 31.2,9.8 32.1,9.8
Vin on L1_Top "NONET_L-01_P-001" (solid, pour order 7): 27.5,64.1 29.4,64.1 32.2,66.9 41.2,66.9 41.2,71.4 40.7,71.9 40.5,71.7 27.7,71.7 25.5,69.5 25.5,65.4 23.6,63.5 24,63.1 27.4,63.1
Vin_RevPol on L1_Top "NONET_L-01_P-001" (solid, remove dead copper, pour order 4): 11.9,96.1 5,89.2 5,83.9 8.1,80.8 24.1,80.8 24.1,96.9 23.688,97.312
Vin on L1_Top "NONET_L-01_P-001" (solid, pour order 0): 26.9,61 26.8,61.1 2.8,61.1 2.8,59.3 1.5,58 1.5,55.4 26.9,55.4 27,55.5
GND on L14_Bot "GND_L02_P035" (solid, remove dead copper, pour order 35): 0,0 0,108.8 116.9,108.8 116.9,0
NetJP421_2 on L14_Bot "NETJP421_2_L02_P022" (solid, remove dead copper, pour order 22): 10.34,33.8 6.8,33.8 6.8,24.3 8.4,22.7 8.4,11.3 8.6,11.1 10.2,11.1 10.2,11.8 10.8,12.4 10.8,33.7 10.35,34.15
Vin on L14_Bot "NONET_L-01_P-001" (solid, remove dead copper, pour order 15): 57.4,79.7 57.4,69.4 60.3,66.5 62.7,66.5 63.332,67.132 64.5,79.4 63.5,79.7
NetX100_1 on L14_Bot "NONET_L-01_P-001" (solid, remove dead copper, pour order 11): 22.2,108.6 28.5,108.6 26.5,106.6 26.5,90 22.1,90 22,90.1
Vout on L14_Bot "NONET_L-01_P-001" (solid, pour order 9): 36.4,10.4 36.2,2.9 37.6,2.9 37.9,2.9 38.8,2.9 38.8,5.8 38.8,16.619 28.919,16.619 18,16.8 17.7,10.6
Vin on L14_Bot "NONET_L-01_P-001" (solid, remove dead copper, pour order 6): 27.8,66.4 39.4,66.4 39.5,66.3 39.9,66.7 39.9,71.7 28.5,71.7 26.3,69.5 26.3,64.8
VS_Buck on L14_Bot "NONET_L-01_P-001" (solid, remove dead copper, pour order 1): 16.1,41.4 16.4,41.7 16.4,51.1 20.4,51.1 19.9,50.6 19.9,41.3

## Silkscreen, mask and mechanical layers (free items; w line width, h text height)
Top Overlay:
  drawing of 251 lines, arcs and shapes, not listed
  text "Reverse Polarity Protection" at 40.5,104.1 h2.3 r270
  text "Power" at 4.7,95.4 h2.3 r270
  text "Off" at 0.9,95.1 h2.3 r270
  text "Learning Platform  / for  / Switching Regulators" at 86.6,94.4 h1.52
  text "Safety Circuit" at 78.1,92.1 h2
  text "Version 2.0" at 94.15,91.4 h1.52
  text "12V LDO" at 58.2,89.2 h1.7
  text "Vin" at 22.1,85 h2
  text "Input Current" at 51.8,84.9 h1.7 r270
  text "Over-Voltage Protection" at 17.5,84.6 h2.3 r270
  text "Overcurrent" at 102.9,84.4 h2
  text "Error Flags" at 100.7,83.7 h2 r270
  text "On" at 1,82.9 h2.3 r270
  text "Undervolt" at 102.8,76.6 h2
  text "3V3 LDO" at 70.4,71.7 h1.7 r270
  text "5V Buck" at 58.7,70 h1.7 r270
  text "Overtemp Ext" at 102.7,69.7 h2
  text "Vin" at 25.8,66.2 h2 r270
  text "User Btn 1" at 78.35,60.75 h1.7
  text "Buck Switching" at 22.8,60.7 h2.3 r270
  text "Vin" at 3.9,55.6 h2
  text "EXT / NTC" at 60.6,55.3 h1.7
  text "Fault Reset" at 105.9,55.2 h1.7
  text "12 V" at 4,53.2 h2
  text "User  / Portentiometer" at 61.3,52.1 h1.7
  text "User Btn 2" at 78.25,52 h1.7
  text "NC" at 106.7,51.7 h1
  text "Vin / Measurement" at 34.2,51.6 h1.3
  text "NTC_EXT" at 46.8,51.3 h1
  text "5 V" at 4,50.5 h2
  text "VOut Meas" at 44.6,49.1 h1
  text "NC" at 106.7,49 h1
  text "3.3 V" at 4,48.2 h2
  text "USER BTN1" at 106.6,46.4 h1
  text "VIn Meas" at 44.9,46.3 h1
  text "Current" at 8.7,45.9 h2 r270
  text "GND" at 4,45.6 h2
  text "User Pot" at 45.6,43.9 h1
  text "CNTRL1" at 106.7,43.9 h1
  text "User Switch" at 78.2,43.3 h1.7
  text "In" at 4.1,42.9 h2
  text "Off" at 88,42.7 h1.8 r270
  text "Ind Current" at 43.5,41.2 h1
  text "CNTRL2" at 106.6,41.2 h1
  text "Ind" at 4,40.5 h2
  text "On" at 79.5,39.1 h1.8 r90
  text "In Current" at 43.8,38.8 h1
  text "VS / BUCK" at 29.7,38.7 h2 r270
  text "CNTRL3" at 106.5,38.7 h1
  text "Filter Cap" at 46.9,38.6 h1.6 r270
  text "Vout" at 4,38.1 h2
  text "BUCK CNTRL" at 106,36.3 h1
  text "Vmeas" at 4,35.6 h2
  text "LED 4" at 73,34 h1.6
  text "LED 3" at 80.3,34 h1.6
  text "LED 2" at 87.3,34 h1.6
  text "LED 1" at 94.4,33.9 h1.6
  text "USER BTN2" at 106.4,33.6 h1
  text "NC" at 50.4,33.5 h1
  text "BUCK / CNTRL" at 29.2,32.1 h2 r270
  text "PWM" at 3.9,32 h2
  text "External" at 34.8,30.9 h1.5
  text "GND" at 50.1,30.9 h1
  text "Inductor" at 7.4,30.7 h1.6
  text "Vout" at 0.3,29.7 h2 r270
  text "SHUTDOWN" at 106.7,29.4 h1
  text "GND" at 50,28.4 h1
  text "USER LED1" at 106.6,27 h1
  text "5V" at 50.3,25.8 h1
  text "Arduino" at 34.8,25.3 h1.5
  text "Load Resistor Switching" at 67.1,25.3 h2
  text "Buck / Cntrl" at 39.8,24.6 h2 r270
  text "USER LED2" at 106.6,24.5 h1
  text "NC" at 50.3,23.5 h1
  text "Vout" at 21.4,22.5 h2 r270
  text "Off" at 82.4,22.4 h1.8
  text "Off" at 72.2,22.3 h1.8
  text "USER LED3" at 106.6,22.2 h1
  text "Off" at 61.25,22.15 h1.8
  text "RESET" at 48.5,20.9 h1
  text "Load3" at 79.6,20.1 h2.3 r270
  text "Load1" at 58.5,19.8 h2.3 r270
  text "Analyzer" at 43.2,19.6 h1.5 r270
  text "Load2" at 69.4,19.6 h2.3 r270
  text "USER SW" at 106.7,19.5 h1
  text "NC" at 50.4,18.5 h1
  text "USER LED4" at 106.7,16.9 h1
  text "NC" at 50.5,15.9 h1
  text "GND" at 106.6,14.7 h1
  text "Inductor / Current" at 0.2,13.1 h1.5 r270
  text "3x 10uF" at 22.3,12.8 h1.5 r270
  text "220uF" at 29.2,12.8 h1.5 r270
  text "On" at 72.1,12.3 h1.8
  text "On" at 82.4,12.2 h1.8
  text "On" at 61.1,12.1 h1.8
  text "AREF" at 106.7,12 h1
  text "Reset" at 55.1,11 h2.3 r270
  text "NC" at 106.9,9.2 h1
  text "NC" at 107,6.9 h1
Bottom Overlay:
  drawing of 12 lines, arcs and shapes, not listed
  text "NTC_EXT" at 54.3,51.2 h1
  text "NC" at 115.8,51.2 h1
  text "VOut Meas" at 54.6,48.7 h1
  text "NC" at 115.8,48.5 h1
  text "VIn Meas" at 54.6,46.2 h1
  text "USER BTN1" at 115.9,45.9 h1
  text "User Pot" at 54.5,43.7 h1
  text "CNTRL1" at 115.8,43.4 h1
  text "Ind Current" at 54.8,41.1 h1
  text "CNTRL2" at 115.9,40.7 h1
  text "In Current" at 54.7,38.6 h1
  text "CNTRL3" at 116,38.2 h1
  text "BUCK CNTRL" at 116.5,35.8 h1
  text "NC" at 53.6,33.6 h1
  text "USER BTN2" at 116.1,33.1 h1
  text "GND" at 53.9,31.2 h1
  text "GND" at 53.7,28.9 h1
  text "SHUTDOWN" at 115.8,28.9 h1
  text "USER LED1" at 115.9,26.5 h1
  text "5V" at 53.6,26.4 h1
  text "NC" at 53.7,24.1 h1
  text "USER LED2" at 115.9,24 h1
  text "USER LED3" at 115.9,21.7 h1
  text "RESET" at 53.9,21.2 h1
  text "USER SW" at 115.8,19 h1
  text "NC" at 53.6,18.8 h1
  text "USER LED4" at 115.8,16.4 h1
  text "NC" at 53.6,16.1 h1
  text "GND" at 115.9,14.2 h1
  text "AREF" at 115.8,11.5 h1
  text "NC" at 115.6,8.7 h1
  text "NC" at 115.5,6.4 h1
Top Assembly Text Top:
  text "Corner  / Screw" at 113.2,107.6 h1.2 r270
  text "Corner  / Screw" at 1.9,107.3 h1.2 r270
  text "Vin-" at 47.8,99.8 h1.2 r270
  text "Power SW" at 1.478,90.528 h1.2 r270
  text "GND / TP" at 113.811,89.928 h1.2
  text "Input  / Current  / TP" at 46,87 h1.2 r270
  text "GND / TP" at 74.911,77.728 h1.2
  text "D320" at 52.3,71.6 h1.2 r270
  text "Vin TP" at 23.9,65.6 h1.2 r270
  text "Vout -" at 8.4,63.7 h1.2
  text "Fault Reset BTN" at 106.792,60.192 h1.2
  text "EXT. / NTC  / TP" at 68.3,58.2 h1.2 r270
  text "User BTN 1" at 82.2,56.9 h1.2
  text "5V TP" at 55.1,56.5 h1.2
  text "External CNTRL Header" at 1.578,50.328 h1.2 r270
  text "GND TP" at 29.9,49.9 h1.2
  text "User  / Pot  / TP" at 70.8,48.4 h1.2
  text "User BTN 2" at 82.024,48.018 h1.2
  text "User SW" at 80.724,41.018 h1.2
  text "GND / TP" at 69.128,38.689 h1.2 r270
  text "VS BUCK TP" at 33.2,37.7 h1.2 r270
  text "Filter Cap Header" at 44.3,37.5 h1.2 r270
  text "Ext. Inductor  / Header" at 9.421,33.03 h1.2
  text "Ext. Buck CNTRL HEADER" at 32.578,32.75 h1.2 r270
  text "LED TP" at 73.7,31.7 h1.2
  text "LED TP" at 80.8,31.5 h1.2
  text "LED TP" at 87.9,31.4 h1.2
  text "LED TP" at 94.8,31.3 h1.2
  text "VOut TP" at 3.1,26.3 h1.2
  text "BUCK CNTRL TP" at 37.178,25.228 h1.2 r270
  text "Load 1 SW" at 62.018,20.776 h1.2 r270
  text "Load 3 SW" at 83.618,20.676 h1.2 r270
  text "Load 2 SW" at 72.918,20.576 h1.2 r270
  text "Ext. Analyzer Header" at 40.6,20.1 h1.2 r270
  text "Vout+" at 10.4,18.1 h1.2
  text "R170" at 111.7,15 h1.2
  text "Solder JMPR" at 112.1,13.7 h1.2 r270
  text "Inductor Current TP" at 3.8,12.3 h1.2 r270
  text "GND / TP" at 44.9,11.3 h1.2 r270
  text "2X2 Cap Header" at 24.6,9 h1.2
  text "Reset  / Button" at 52.2,8.6 h1.2 r270
  text "Output Load socket" at 64.9,5.5 h1.2
  text "GND / TP" at 103.328,4.889 h1.2 r270
  text "Corner  / Screw" at 1.8,4.7 h1.2 r270
  text "Corner  / Screw" at 112.691,4.032 h1.2 r270

## Text inside footprints (layer, text, board x,y; h text height)
C210: M13 (CMP_Body_OTL_Top) "+" at 10.295,78.808 h0.6 r270; M13 (CMP_Body_OTL_Top) "-" at 10.321,71.747 h0.6 r270
C212: M13 (CMP_Body_OTL_Top) "+" at 33.621,69.308 h0.6 r270; M13 (CMP_Body_OTL_Top) "-" at 33.595,65.549 h0.6 r270
C701: M13 (CMP_Body_OTL_Top) "+" at 32.908,18.879 h0.6 r180; M13 (CMP_Body_OTL_Top) "-" at 29.149,18.905 h0.6 r180
C715: M13 (CMP_Body_OTL_Top) "+" at 35.692,6.821 h0.6; M13 (CMP_Body_OTL_Top) "-" at 39.451,6.795 h0.6
D210: M13 (CMP_Body_OTL_Top) "A" at 1.221,73.021 h0.6 r270; M13 (CMP_Body_OTL_Top) "K" at 1.195,73.986 h0.6 r270; Top Overlay "A" at 1.4,72 h0.5 r270; Top Overlay "K" at 1.3,74.9 h0.5 r270
D502: M13 (CMP_Body_OTL_Top) "A" at 108.121,73.721 h0.6 r270; M13 (CMP_Body_OTL_Top) "K" at 108.095,74.686 h0.6 r270; Top Overlay "A" at 108.1,72.7 h0.5 r270; Top Overlay "K" at 108.2,75.6 h0.5 r270
D503: M13 (CMP_Body_OTL_Top) "A" at 108.221,67.121 h0.6 r270; M13 (CMP_Body_OTL_Top) "K" at 108.195,68.086 h0.6 r270; Top Overlay "A" at 108.4,66.1 h0.5 r270; Top Overlay "K" at 108.3,69 h0.5 r270
D550: M13 (CMP_Body_OTL_Top) "A" at 107.721,81.021 h0.6 r270; M13 (CMP_Body_OTL_Top) "K" at 107.695,81.986 h0.6 r270; Top Overlay "A" at 107.9,80 h0.5 r270; Top Overlay "K" at 107.8,82.9 h0.5 r270
D741: M13 (CMP_Body_OTL_Top) "K" at 67.295,15.286 h0.6 r270; M13 (CMP_Body_OTL_Top) "A" at 67.321,14.321 h0.6 r270; Top Overlay "A" at 67.371,13 h0.5 r270; Top Overlay "K" at 67.4,16.3 h0.5 r270
D801: M13 (CMP_Body_OTL_Top) "K" at 100.105,31.514 h0.6 r90; M13 (CMP_Body_OTL_Top) "A" at 100.079,32.479 h0.6 r90; Top Overlay "K" at 98.9,31.3 h0.5; Top Overlay "A" at 98.9,32.9 h0.5
D804: M13 (CMP_Body_OTL_Top) "K" at 77.995,15.586 h0.6 r270; M13 (CMP_Body_OTL_Top) "A" at 78.021,14.621 h0.6 r270; Top Overlay "K" at 78.046,16.833 h0.5 r270; Top Overlay "A" at 78.071,13.3 h0.5 r270
D805: M13 (CMP_Body_OTL_Top) "K" at 88.195,16.286 h0.6 r270; M13 (CMP_Body_OTL_Top) "A" at 88.221,15.321 h0.6 r270; Top Overlay "K" at 88.246,17.533 h0.5 r270; Top Overlay "A" at 88.271,14 h0.5 r270
D806: M13 (CMP_Body_OTL_Top) "K" at 93.705,31.814 h0.6 r90; M13 (CMP_Body_OTL_Top) "A" at 93.679,32.779 h0.6 r90; Top Overlay "K" at 92.5,31.4 h0.5; Top Overlay "A" at 92.5,33.1 h0.5
D807: M13 (CMP_Body_OTL_Top) "A" at 86.179,32.579 h0.6 r90; M13 (CMP_Body_OTL_Top) "K" at 86.205,31.614 h0.6 r90; Top Overlay "A" at 85.1,33 h0.5; Top Overlay "K" at 85.1,31.2 h0.5
D808: M13 (CMP_Body_OTL_Top) "A" at 79.179,31.579 h0.6 r90; M13 (CMP_Body_OTL_Top) "K" at 79.205,30.614 h0.6 r90; Top Overlay "A" at 78,32.1 h0.5; Top Overlay "K" at 78,30.2 h0.5
R211: M13 (CMP_Body_OTL_Top) "V" at 34.495,77.222 h0.4 r180; M13 (CMP_Body_OTL_Top) "I" at 34.445,78.06 h0.4 r180; M13 (CMP_Body_OTL_Top) "I" at 32.006,78.035 h0.4 r180; M13 (CMP_Body_OTL_Top) "V" at 32.082,77.171 h0.4 r180; Top Overlay "V" at 30.225,76.7 h0.4 r180; Top Overlay "V" at 36.325,76.6 h0.4 r180; Top Overlay "I" at 36.225,78.7 h0.4 r180; Top Overlay "I" at 30.225,78.2 h0.4 r180
R420: M13 (CMP_Body_OTL_Top) "V" at 14.343,10.929 h0.4; M13 (CMP_Body_OTL_Top) "I" at 14.419,10.065 h0.4; M13 (CMP_Body_OTL_Top) "I" at 11.98,10.04 h0.4; M13 (CMP_Body_OTL_Top) "V" at 11.93,10.878 h0.4; Top Overlay "V" at 9.758,11.4 h0.4; Top Overlay "I" at 9.821,10 h0.4; Top Overlay "I" at 16.502,10 h0.4; Top Overlay "V" at 16.425,11.4 h0.4
X100: Top Assembly Text Top "Vin +" at 24.9,98.9 h1.2 r270
X110: M12 (Dimension_Bot) "1" at 88.484,54.464 h1.2 r270; M12 (Dimension_Bot) "1" at 60.544,54.413 h1.2 r270; M12 (Dimension_Bot) "1" at 55.54,2.317 h1.2 r270; M12 (Dimension_Bot) "1" at 103.749,3.613 h1.2 r270